# Altium PCB PCB1.PcbDoc
Units mm, origin at the board's own origin, x right, y up, seen from the top; angles counter-clockwise.
Board outline 92.71 x 99.82 mm, 2 copper layers (Top Layer, Bottom Layer); 19 components, 45 nets, 158 pads, 3 vias.
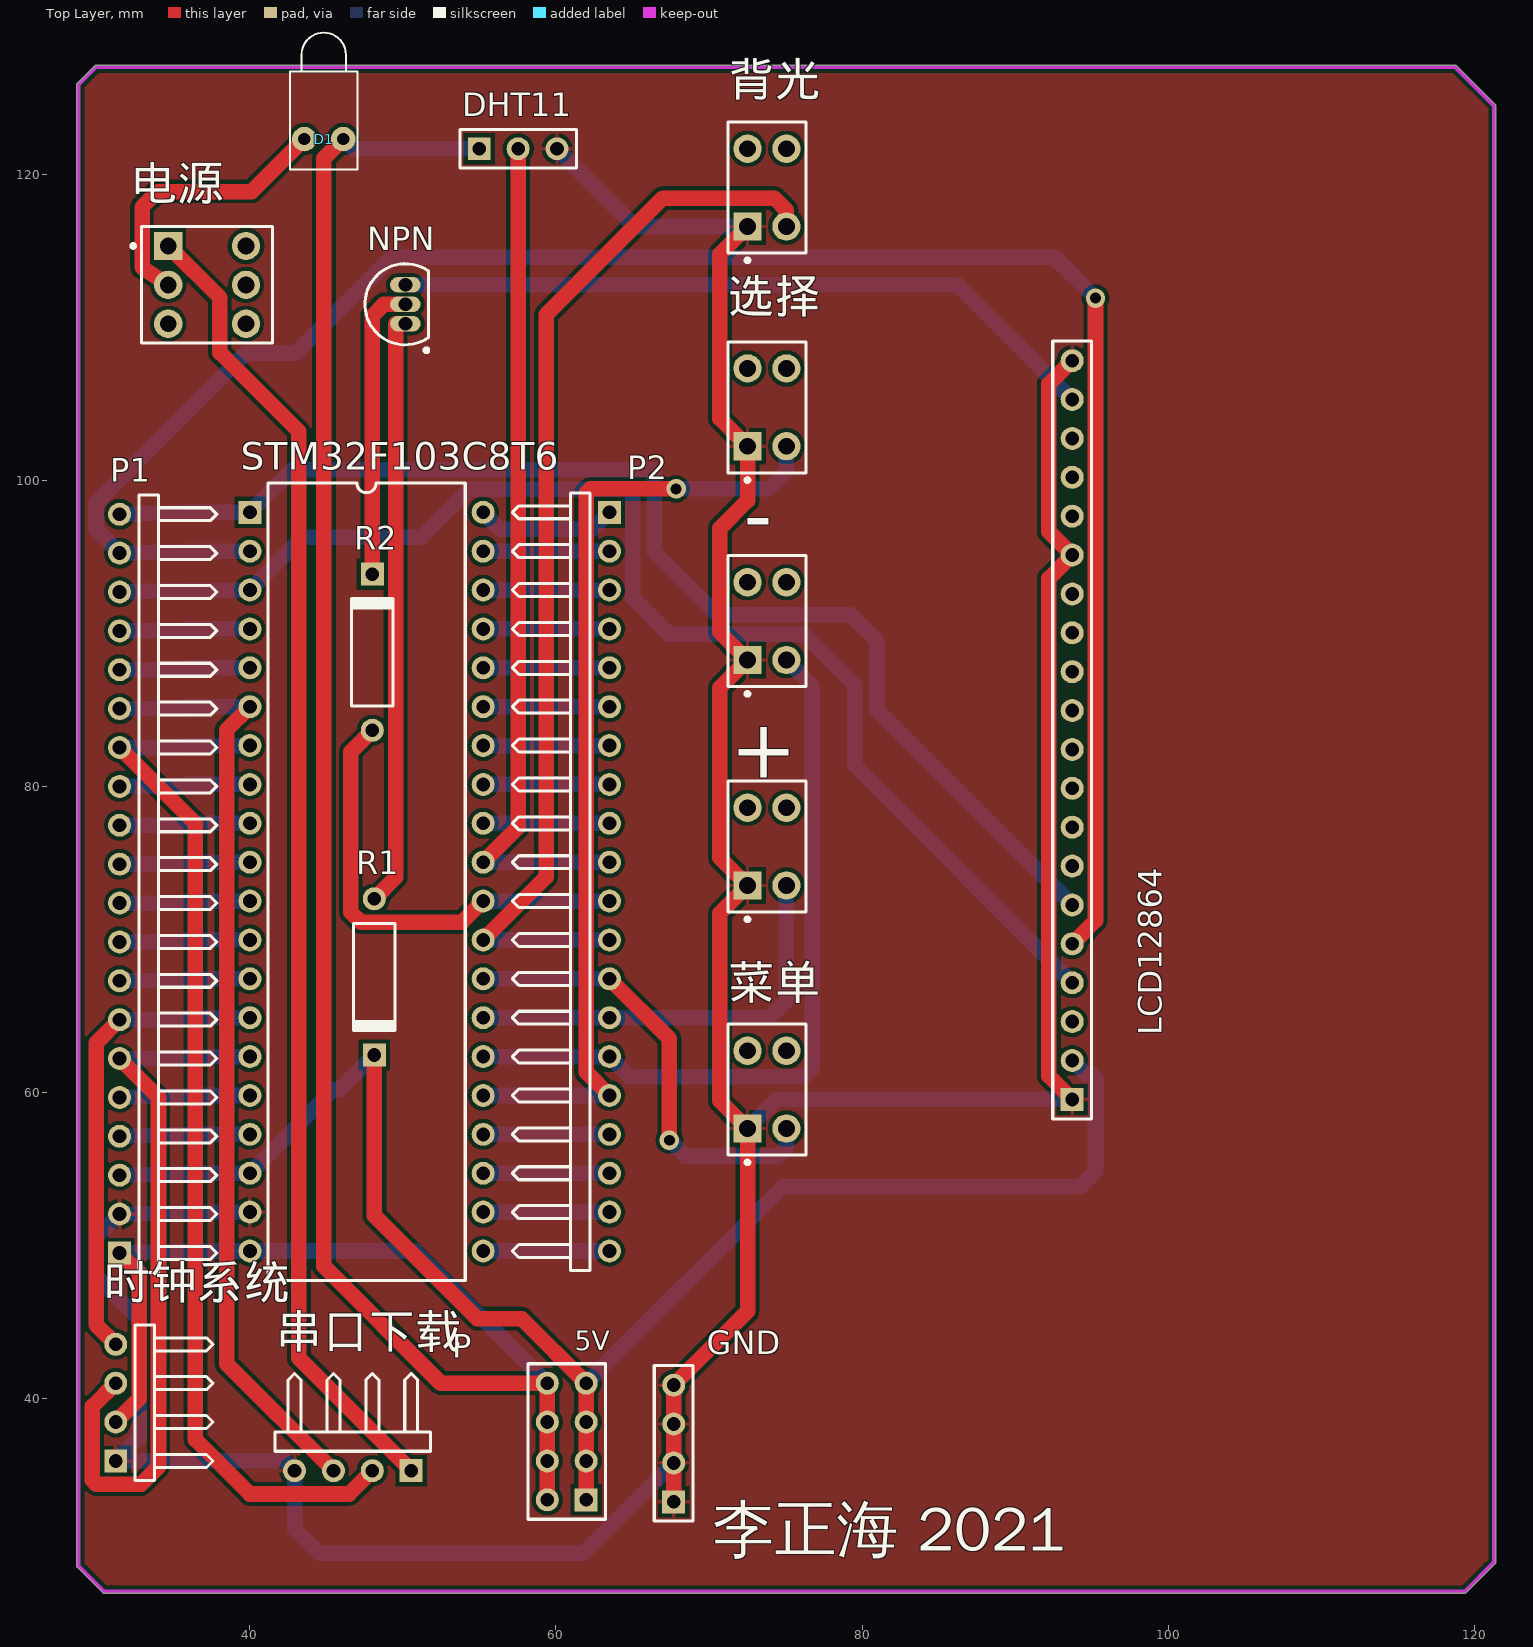
[diagram p0: Top Layer view]
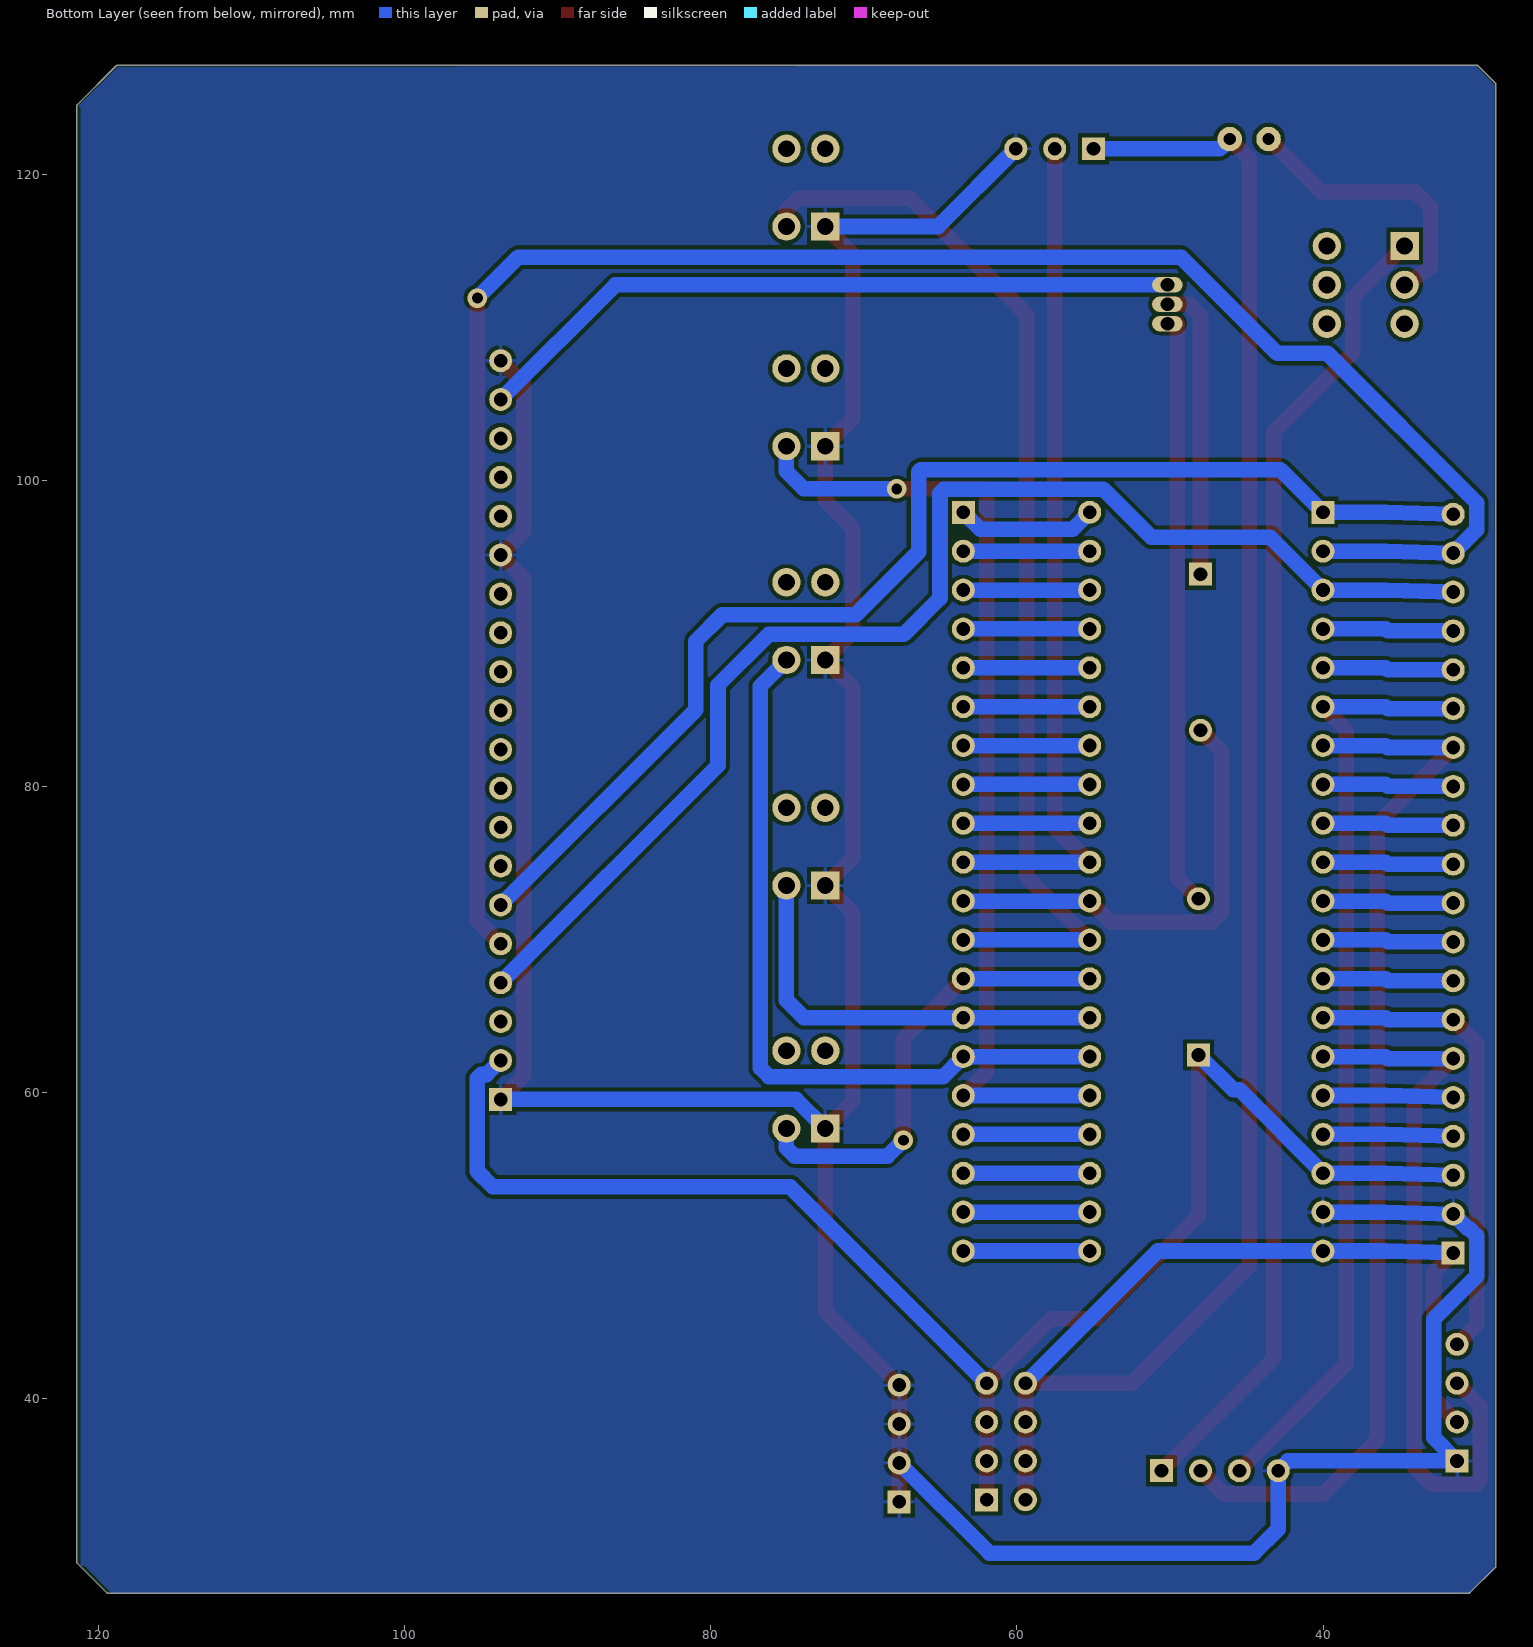
[diagram p1: Bottom Layer view, seen from below]

## Layer stack, top to bottom
Top Layer: signal copper 0.0356
Dielectric: dielectric 0.32, FR-4, Dk 4.8
Bottom Layer: signal copper 0.0356

## Board outline
28.739,28.992 cw(c28.829,29.083) 28.702,29.083 28.702,125.857 cw(c28.829,125.857) 28.739,125.948 28.739,125.947 29.882,127.09 29.881,127.09 cw(c29.972,127) 29.972,127.127 118.745,127.127 cw(c118.745,127) 118.836,127.09 118.835,127.09 121.375,124.55 121.375,124.551 cw(c121.285,124.46) 121.412,124.46 121.412,29.337 cw(c121.285,29.337) 121.375,29.246 121.375,29.247 119.47,27.342 119.471,27.342 cw(c119.38,27.432) 119.38,27.305 30.48,27.305 cw(c30.48,27.432) 30.389,27.342 30.39,27.342

## Design rules (kind name [scope] priority, off if disabled: settings)
Clearance [All] p1: gap=0.254
PolygonConnect [All] p1: connectstyle=Relief reliefconductorwidth=0.254 reliefentries=4 polygonreliefangle="90 Angle" airgapwidth=0.254
RoutingVias [All] p1: holewidth=0.711 width=1.27 viastyle="Through Hole" minholewidth=0.711 minwidth=1.27 maxholewidth=0.711 maxwidth=1.27
SilkscreenOverComponentPads [All] p1: minsilkscreentomaskgap=0.254
SolderMaskExpansion [All] p1: expansion=0.102
Width [All] p1: maxlimit=1.016 minlimit=0.2 preferedwidth=1.016 minimp=50.000000 maximp=50.000000 favimp=50.000000
27 further rules are at their usual default settings.

## Classes and differential pairs
component class Sheet2: 3.3V + - D1 DHT11 GND LCD12864 NPN PB12 R1 STM32F103C8T6 串口下载 时钟系统 电源 背光 菜单 选择

## Components (designator, comment, footprint, x,y, rotation, side; value= is the part's Value field where it differs from the comment)
+ "SW-PB" DPST-4 73.787,76.073 r90 top
- "SW-PB" DPST-4 73.787,90.805 r90 top
D1 "LED1" LED-1 44.831,122.301 r90 top
DHT11 "Header 3" HDR1X3 54.991,121.666 r0 top
GND "Header 4" HDR1X4 67.691,33.274 r90 top
LCD12864 "LCD12864" HDR1X20 93.726,59.563 r90 top
NPN "NPN" TO-226-AA 50.165,111.506 r0 top
P "Header 4X2" HDR2X4 61.976,33.401 r90 top
P1 "Header 20H" HDR1X20H 31.496,49.53 r90 top
P2 "Header 20H" HDR1X20H 63.5,97.917 r270 top
R1 "220R" DO-7 48.133,67.564 r270 top
R2 "1K" DO-7 48.006,88.773 r90 top
STM32F103C8T6 "STM32F103C8T6" DIP-40 47.625,73.787 r270 top
串口下载 "Header 4H" HDR1X4H 50.546,35.306 r180 top
时钟系统 "Header 4H" HDR1X4H 31.242,35.941 r90 top
电源 "SW-DPDT" DPDT-6 37.211,112.776 r0 top
背光 "SW-PB" DPST-4 73.787,119.126 r90 top
菜单 "SW-PB" DPST-4 73.787,60.198 r90 top
选择 "SW-PB" DPST-4 73.787,104.775 r90 top

## Footprints (in the part's own frame and the unit in brackets; to place one, negate y for a bottom-side part, rotate by r counter-clockwise, add the part's x,y. Pads: shape width x height; smd on the part's side, far side on the other; paste and mask are expansions set on the pad)
DIP-40 [mm]
  rect 1.5x1.5 hole 0.9: 1(-24.13,-7.62)
  round 1.5 hole 0.9: 2(-21.59,-7.62) 3(-19.05,-7.62) 4(-16.51,-7.62) 5(-13.97,-7.62) 6(-11.43,-7.62) 7(-8.89,-7.62) 8(-6.35,-7.62) 9(-3.81,-7.62) 10(-1.27,-7.62) 11(1.27,-7.62) 12(3.81,-7.62) 13(6.35,-7.62) 14(8.89,-7.62) 15(11.43,-7.62) 16(13.97,-7.62) 17(16.51,-7.62) 18(19.05,-7.62) 19(21.59,-7.62) 20(24.13,-7.62) 21(24.13,7.62) 22(21.59,7.62) 23(19.05,7.62) 24(16.51,7.62) 25(13.97,7.62) 26(11.43,7.62) 27(8.89,7.62) 28(6.35,7.62) 29(3.81,7.62) 30(1.27,7.62) 31(-1.27,7.62) 32(-3.81,7.62) 33(-6.35,7.62) 34(-8.89,7.62) 35(-11.43,7.62) 36(-13.97,7.62) 37(-16.51,7.62) 38(-19.05,7.62) 39(-21.59,7.62) 40(-24.13,7.62)
  silkscreen extent -26.05,-6.45 26.05,6.45
DO-7 [mm] "Diode, Axial; Body 7 x 2.7 mm (LxDia. max), Lead Dia. 0.53 mm (max)"
  round 1.5 hole 0.9: 1(-5.1,0)
  rect 1.5x1.5 hole 0.9: 2(5.1,0)
  silkscreen extent -3.5,-1.35 3.6,1.35
DPDT-6 [mm] "Switch; 6 Lead"
  rect 1.85x1.85 hole 1.1: 1(-2.54,2.54)
  round 1.85 hole 1.1: 2(-2.54,0) 3(-2.54,-2.54) 4(2.54,-2.54) 5(2.54,0) 6(2.54,2.54)
  silkscreen extent -4.96,-3.81 4.28,3.81
DPST-4 [mm] "Switch; 4 Leads"
  rect 1.85x1.85 hole 1.1: 1(-2.54,1.27)
  round 1.85 hole 1.1: 2(-2.54,-1.27) 3(2.54,-1.27) 4(2.54,1.27)
  silkscreen extent -4.88,-2.54 4.28,2.54
HDR1X3 [mm] "Connector; Header; 3 Position"
  rect 1.5x1.5 hole 0.9: 1(0,0)
  round 1.5 hole 0.9: 2(2.54,0) 3(5.08,0)
  silkscreen extent -1.27,-1.27 6.35,1.27
HDR1X4 [mm] "Connector; Header; 4 Position"
  rect 1.5x1.5 hole 0.9: 1(0,0)
  round 1.5 hole 0.9: 2(2.54,0) 3(5.08,0) 4(7.62,0)
  silkscreen extent -1.27,-1.27 8.89,1.27
HDR1X4H [mm] "Connector; Header; 4 Position; Right An"
  rect 1.5x1.5 hole 0.9: 1(0,0)
  round 1.5 hole 0.9: 2(2.54,0) 3(5.08,0) 4(7.62,0)
  silkscreen extent -1.27,-6.35 8.89,-1.27
HDR1X20 [mm] "Connector; Header; 20 Position"
  rect 1.5x1.5 hole 0.9: 1(0,0)
  round 1.5 hole 0.9: 2(2.54,0) 3(5.08,0) 4(7.62,0) 5(10.16,0) 6(12.7,0) 7(15.24,0) 8(17.78,0) 9(20.32,0) 10(22.86,0) 11(25.4,0) 12(27.94,0) 13(30.48,0) 14(33.02,0) 15(35.56,0) 16(38.1,0) 17(40.64,0) 18(43.18,0) 19(45.72,0) 20(48.26,0)
  silkscreen extent -1.27,-1.27 49.53,1.27
HDR1X20H [mm] "Connector; Header; 20 Position; Right Angle"
  rect 1.5x1.5 hole 0.9: 1(0,0)
  round 1.5 hole 0.9: 2(2.54,0) 3(5.08,0) 4(7.62,0) 5(10.16,0) 6(12.7,0) 7(15.24,0) 8(17.78,0) 9(20.32,0) 10(22.86,0) 11(25.4,0) 12(27.94,0) 13(30.48,0) 14(33.02,0) 15(35.56,0) 16(38.1,0) 17(40.64,0) 18(43.18,0) 19(45.72,0) 20(48.26,0)
  silkscreen extent -1.27,-6.35 49.53,-1.27
HDR2X4 [mm] "Connector; Header; 4x2 Position"
  rect 1.5x1.5 hole 0.9: 1(0,0)
  round 1.5 hole 0.9: 2(0,2.54) 3(2.54,0) 4(2.54,2.54) 5(5.08,0) 6(5.08,2.54) 7(7.62,0) 8(7.62,2.54)
  silkscreen extent -1.27,-1.27 8.89,3.81
LED-1 [mm] "LED; 2 Leads"
  round 1.6 hole 0.8: 1(0,1.27) 2(0,-1.27)
  silkscreen extent -2,-2.2 6.95,2.2
TO-226-AA [mm] "TO, Flat Index; 3 In-Line, Axial Leads; Body Dia. 4.8mm; Leads 0.55 x 0.51 mm (max)"
  oval 2x1 hole 0.9: 1(0,-1.27) 2(0,0) 3(0,1.27)
  silkscreen extent -2.65,-3.13 1.52,2.65, body extent -2.66,-2.66 1.52,2.66, height 5.33

## Part data
+ - 背光 菜单 选择: "Switch"
D1: "Typical RED GaAs LED"
DHT11: "Header, 3-Pin"
GND: "Header, 4-Pin"
NPN: "NPN Bipolar Transistor"
P: "Header, 4-Pin, Dual row"
P1 P2: "Header, 20-Pin, Right Angle"
R1 R2: library part R
STM32F103C8T6: "STM32F1"
串口下载 时钟系统: "Header, 4-Pin, Right Angle"
电源: "Double-Pole, Double-Throw Switch"

## Via types
v1: diameter 1.27, hole 0.711, Top Layer to Bottom Layer, 3 vias

## Nets (pads, with @x,y where several pads share a name; then routed paths per layer and width w, separated by ;. In a path a pad name is that pad's centre, name@x,y a point inside that pad or via, vN(x,y) a via of type N, cw(c..) or ccw(c..) an arc to the next point about the centre after c; other vN are vias at no path point)
+5V: LCD12864.2 P1.3 P.1 P.3 P.5 P.7 R1.2 STM32F103C8T6.18 | length 103.4
  Top Layer w1.016: R1.2 48.133,51.968 54.864,45.237 57.76,45.237 P.7 P.5 P.3 P.1
  Bottom Layer w1.016: P1.3 35.89,54.737 STM32F103C8T6.18 45.466,60.198 45.867,60.198 R1.2 ; P.7 74.803,53.848 94.234,53.848 95.25,54.864 95.25,60.935 94.996,61.189 94.64,61.189 LCD12864.2
DHT11: DHT11.2 P2.10 STM32F103C8T6.31 | length 55.8
  Top Layer w1.016: STM32F103C8T6.31 57.531,77.343 DHT11.2
  Bottom Layer w1.016: STM32F103C8T6.31 P2.10
GND: +.1 -.1 DHT11.3 GND.1 GND.2 GND.3 GND.4 LCD12864.1 LCD12864.15 LCD12864.20 P1.2 STM32F103C8T6.19 串口下载.4 时钟系统.1 背光.1 菜单.1 选择.1 | length 249.4
  Top Layer w1.016: GND.1 GND.2 GND.3 GND.4 72.517,45.72 菜单.1 70.714,59.461 70.714,71.73 +.1 70.714,75.336 70.714,86.462 -.1 70.714,90.068 70.714,96.876 72.517,98.679 选择.1 70.714,104.038 70.714,114.783 背光.1 ; LCD12864.1 92.202,61.087 92.202,93.599 LCD12864.15 92.202,96.647 92.202,106.299 LCD12864.20
  Bottom Layer w1.016: STM32F103C8T6.19 35.89,52.197 P1.2 30.582,51.156 30.48,51.156 29.972,50.648 29.972,48.006 32.766,45.212 32.766,37.465 时钟系统.1 42.291,35.941 串口下载.4 42.926,31.496 44.501,29.921 61.798,29.921 GND.2 ; DHT11.3 65.151,116.586 背光.1 ; 菜单.1 74.422,59.563 LCD12864.1
IIC_SCL: P1.7 STM32F103C8T6.14 时钟系统.4 | length 30.9
  Top Layer w1.016: 时钟系统.4 29.972,44.831 29.972,63.246 P1.7
  Bottom Layer w1.016: P1.7 35.763,64.77 35.89,64.897 STM32F103C8T6.14
IIC_SDA: P1.6 STM32F103C8T6.15 时钟系统.3 | length 48.2
  Top Layer w1.016: 时钟系统.3 29.718,39.497 29.718,34.671 29.972,34.417 32.893,34.417 34.036,35.56 34.036,59.69 P1.6
  Bottom Layer w1.016: P1.6 35.763,62.23 35.89,62.357 STM32F103C8T6.15
K1: P2.16 STM32F103C8T6.25 选择.2 | length 63.6
  Top Layer w1.016: P2.16 61.976,61.341 61.976,99.187 62.23,99.441 v1(67.846,99.441)
  Bottom Layer w1.016: STM32F103C8T6.25 P2.16 ; v1(67.846,99.441) 73.914,99.441 75.057,100.584 选择.2
K2: -.2 P2.15 STM32F103C8T6.26 | length 49.6
  Bottom Layer w1.016: STM32F103C8T6.26 P2.15 64.806,61.051 76.2,61.051 76.759,61.61 76.759,86.563 -.2
K3: +.2 P2.14 STM32F103C8T6.27 | length 27.8
  Bottom Layer w1.016: STM32F103C8T6.27 P2.14 73.914,64.897 75.057,66.04 +.2
K4: P2.13 STM32F103C8T6.28 菜单.2 | length 30
  Top Layer w1.016: P2.13 67.412,63.525 v1(67.412,56.896)
  Bottom Layer w1.016: STM32F103C8T6.28 P2.13 ; v1(67.412,56.896) 68.453,55.855 74.524,55.855 75.057,56.388 菜单.2
LCD_BK: P2.11 R2.1 STM32F103C8T6.30 | length 30.2
  Top Layer w1.016: R2.1 46.609,82.276 46.609,71.78 47.244,71.145 53.873,71.145 STM32F103C8T6.30
  Bottom Layer w1.016: STM32F103C8T6.30 P2.11
LCD_BK_CON: P2.12 STM32F103C8T6.29 背光.2 | length 71
  Top Layer w1.016: STM32F103C8T6.29 59.36,74.092 59.36,110.82 66.98,118.44 74.27,118.44 75.057,117.653 背光.2
  Bottom Layer w1.016: STM32F103C8T6.29 P2.12
LCD_CK: LCD12864.6 P1.20 STM32F103C8T6.1 | length 80.9
  Bottom Layer w1.016: P1.20 35.89,97.917 STM32F103C8T6.1 42.787,100.699 66.282,100.699 66.411,100.57 66.411,95.336 70.525,91.222 79.248,91.222 80.972,89.498 80.972,85.017 LCD12864.6
LCD_CS: LCD12864.4 P1.18 STM32F103C8T6.3 | length 85.4
  Bottom Layer w1.016: P1.18 35.89,92.837 STM32F103C8T6.3 43.459,96.291 51.218,96.291 54.356,99.429 64.77,99.429 65.024,99.175 65.024,92.314 67.386,89.952 76.2,89.952 79.527,86.625 79.527,81.382 LCD12864.4
LCD_IO: LCD12864.5 P1.19 STM32F103C8T6.2 | length 128.3
  Top Layer w1.016: LCD12864.5 95.25,71.247 v1(95.25,111.912)
  Bottom Layer w1.016: STM32F103C8T6.2 35.89,95.377 P1.19 29.972,96.774 29.972,98.552 39.726,108.306 43.002,108.306 49.276,114.579 92.583,114.579 v1(95.25,111.912)
NetD1_1: D1.1 电源.2 | length 18.4
  Top Layer w1.016: 电源.2 32.969,113.919 32.969,117.856 33.985,118.872 40.132,118.872 D1.1
NetLCD12864_19: LCD12864.19 NPN.3 | length 46.7
  Bottom Layer w1.016: NPN.3 86.233,112.776 LCD12864.19
NetNPN_1: NPN.1 R1.1 | length 38.8
  Top Layer w1.016: R1.1 49.53,74.061 49.53,110.236 NPN.1
NetNPN_2: NPN.2 R2.2 | length 19.3
  Top Layer w1.016: R2.2 48.006,110.744 48.768,111.506 NPN.2
NetP1_4: P1.4 STM32F103C8T6.17 | length 8.5
  Bottom Layer w1.016: P1.4 35.89,57.277 STM32F103C8T6.17
NetP1_5: P1.5 STM32F103C8T6.16 | length 8.5
  Bottom Layer w1.016: P1.5 35.89,59.817 STM32F103C8T6.16
NetP1_8: P1.8 STM32F103C8T6.13 | length 8.6
  Bottom Layer w1.016: P1.8 35.763,67.31 35.89,67.437 STM32F103C8T6.13
NetP1_9: P1.9 STM32F103C8T6.12 | length 8.6
  Bottom Layer w1.016: P1.9 35.763,69.85 35.89,69.977 STM32F103C8T6.12
NetP1_10: P1.10 STM32F103C8T6.11 | length 8.6
  Bottom Layer w1.016: P1.10 35.763,72.39 35.89,72.517 STM32F103C8T6.11
NetP1_11: P1.11 STM32F103C8T6.10 | length 8.6
  Bottom Layer w1.016: P1.11 35.763,74.93 35.89,75.057 STM32F103C8T6.10
NetP1_12: P1.12 STM32F103C8T6.9 | length 8.6
  Bottom Layer w1.016: P1.12 35.763,77.47 35.89,77.597 STM32F103C8T6.9
NetP1_13: P1.13 STM32F103C8T6.8 | length 8.6
  Bottom Layer w1.016: P1.13 35.763,80.01 35.89,80.137 STM32F103C8T6.8
NetP1_16: P1.16 STM32F103C8T6.5 | length 8.6
  Bottom Layer w1.016: P1.16 35.763,87.63 35.89,87.757 STM32F103C8T6.5
NetP1_17: P1.17 STM32F103C8T6.4 | length 8.6
  Bottom Layer w1.016: P1.17 35.763,90.17 35.89,90.297 STM32F103C8T6.4
NetP2_1: P2.1 STM32F103C8T6.40 | length 9.2
  Bottom Layer w1.016: STM32F103C8T6.40 56.363,96.799 62.382,96.799 P2.1
NetP2_2: P2.2 STM32F103C8T6.39 | length 8.3
  Bottom Layer w1.016: STM32F103C8T6.39 P2.2
NetP2_3: P2.3 STM32F103C8T6.38 | length 8.3
  Bottom Layer w1.016: STM32F103C8T6.38 P2.3
NetP2_4: P2.4 STM32F103C8T6.37 | length 8.3
  Bottom Layer w1.016: STM32F103C8T6.37 P2.4
NetP2_5: P2.5 STM32F103C8T6.36 | length 8.3
  Bottom Layer w1.016: STM32F103C8T6.36 P2.5
NetP2_6: P2.6 STM32F103C8T6.35 | length 8.3
  Bottom Layer w1.016: STM32F103C8T6.35 P2.6
NetP2_7: P2.7 STM32F103C8T6.34 | length 8.3
  Bottom Layer w1.016: STM32F103C8T6.34 P2.7
NetP2_8: P2.8 STM32F103C8T6.33 | length 8.3
  Bottom Layer w1.016: STM32F103C8T6.33 P2.8
NetP2_9: P2.9 STM32F103C8T6.32 | length 8.3
  Bottom Layer w1.016: STM32F103C8T6.32 P2.9
NetP2_17: P2.17 STM32F103C8T6.24 | length 8.3
  Bottom Layer w1.016: STM32F103C8T6.24 P2.17
NetP2_18: P2.18 STM32F103C8T6.23 | length 8.3
  Bottom Layer w1.016: STM32F103C8T6.23 P2.18
NetP2_19: P2.19 STM32F103C8T6.22 | length 8.3
  Bottom Layer w1.016: STM32F103C8T6.22 P2.19
NetP2_20: P2.20 STM32F103C8T6.21 | length 8.3
  Bottom Layer w1.016: STM32F103C8T6.21 P2.20
RX: P1.14 STM32F103C8T6.7 串口下载.2 | length 69.5
  Top Layer w1.016: P1.14 36.449,77.597 36.449,37.338 40.005,33.782 46.482,33.782 串口下载.2
  Bottom Layer w1.016: P1.14 35.763,82.55 35.89,82.677 STM32F103C8T6.7
TX: P1.15 STM32F103C8T6.6 串口下载.3 | length 62
  Top Layer w1.016: STM32F103C8T6.6 38.481,83.693 38.481,42.291 串口下载.3
  Bottom Layer w1.016: P1.15 35.763,85.09 35.89,85.217 STM32F103C8T6.6
V3.3: D1.2 DHT11.1 P1.1 P.2 P.4 P.6 P.8 STM32F103C8T6.20 时钟系统.2 | length 152.4
  Top Layer w1.016: 时钟系统.2 32.766,40.005 32.766,48.26 P1.1 ; D1.2 44.831,121.031 44.831,48.666 52.476,41.021 P.8 P.6 P.4 P.2
  Bottom Layer w1.016: P1.1 35.89,49.657 STM32F103C8T6.20 50.8,49.657 P.8 ; D1.2 46.736,121.666 DHT11.1
VIN: 串口下载.1 电源.1 | length 86.6
  Top Layer w1.016: 电源.1 38.049,111.938 38.049,108.356 43.205,103.2 43.205,42.647 串口下载.1
pads on no net: +.3 +.4 -.3 -.4 LCD12864.3 LCD12864.7 LCD12864.8 LCD12864.9 LCD12864.10 LCD12864.11 LCD12864.12 LCD12864.13 LCD12864.14 LCD12864.16 LCD12864.17 LCD12864.18 电源.3 电源.4 电源.5 电源.6 背光.3 背光.4 菜单.3 菜单.4 选择.3 选择.4

## Polygon pours and split planes (outlines as drawn)
GND on Top Layer "Bottom Layer-No Net" (solid, pour order 15): 30.868,27.82 32.385,29.337 120.736,29.337 119.38,27.981 119.38,27.432 31.257,27.432 30.868,27.82
GND on Top Layer "Bottom Layer-No Net" (solid, pour order 11): 29.972,127 28.829,125.857 28.829,29.083 30.48,27.432 32.385,29.337 121.285,29.337 121.285,124.46 118.745,127
GND on Bottom Layer "Bottom Layer-No Net" (solid, pour order 13): 118.745,127 121.285,124.46 121.158,124.333 121.158,29.083 120.904,29.083 119.253,27.432 119.126,27.305 30.607,27.305 30.48,27.305 28.829,28.956 28.829,125.857 30.099,127.127

## Keep-outs
Top Layer:
  lines w0.254: 28.829,29.083 28.829,125.857 29.972,127 118.745,127 121.285,124.46 121.285,29.337 119.38,27.432 30.48,27.432 28.829,29.083

## Silkscreen, mask and mechanical layers (free items; w line width, h text height)
Top Overlay:
  text "李正海 2021" at 70.231,29.083 h5.08

## Text inside footprints (layer, text, board x,y; h text height)
P: Top Overlay "5V" at 61.214,43.18 h1.27